# Altium PCB MB V7.PcbDoc (part 1 of 3)
Units mm, origin at the board's own origin, x right, y up, seen from the top; angles counter-clockwise.
Board outline 165.04 x 191.67 mm, 4 copper layers (Top Layer, MID TOP, MID BOTTOM, Bottom Layer), stack 0.603 mm thick; 236 components, 223 nets, 910 pads, 243 vias.
Unrouted connection lines stored in the file: 157.
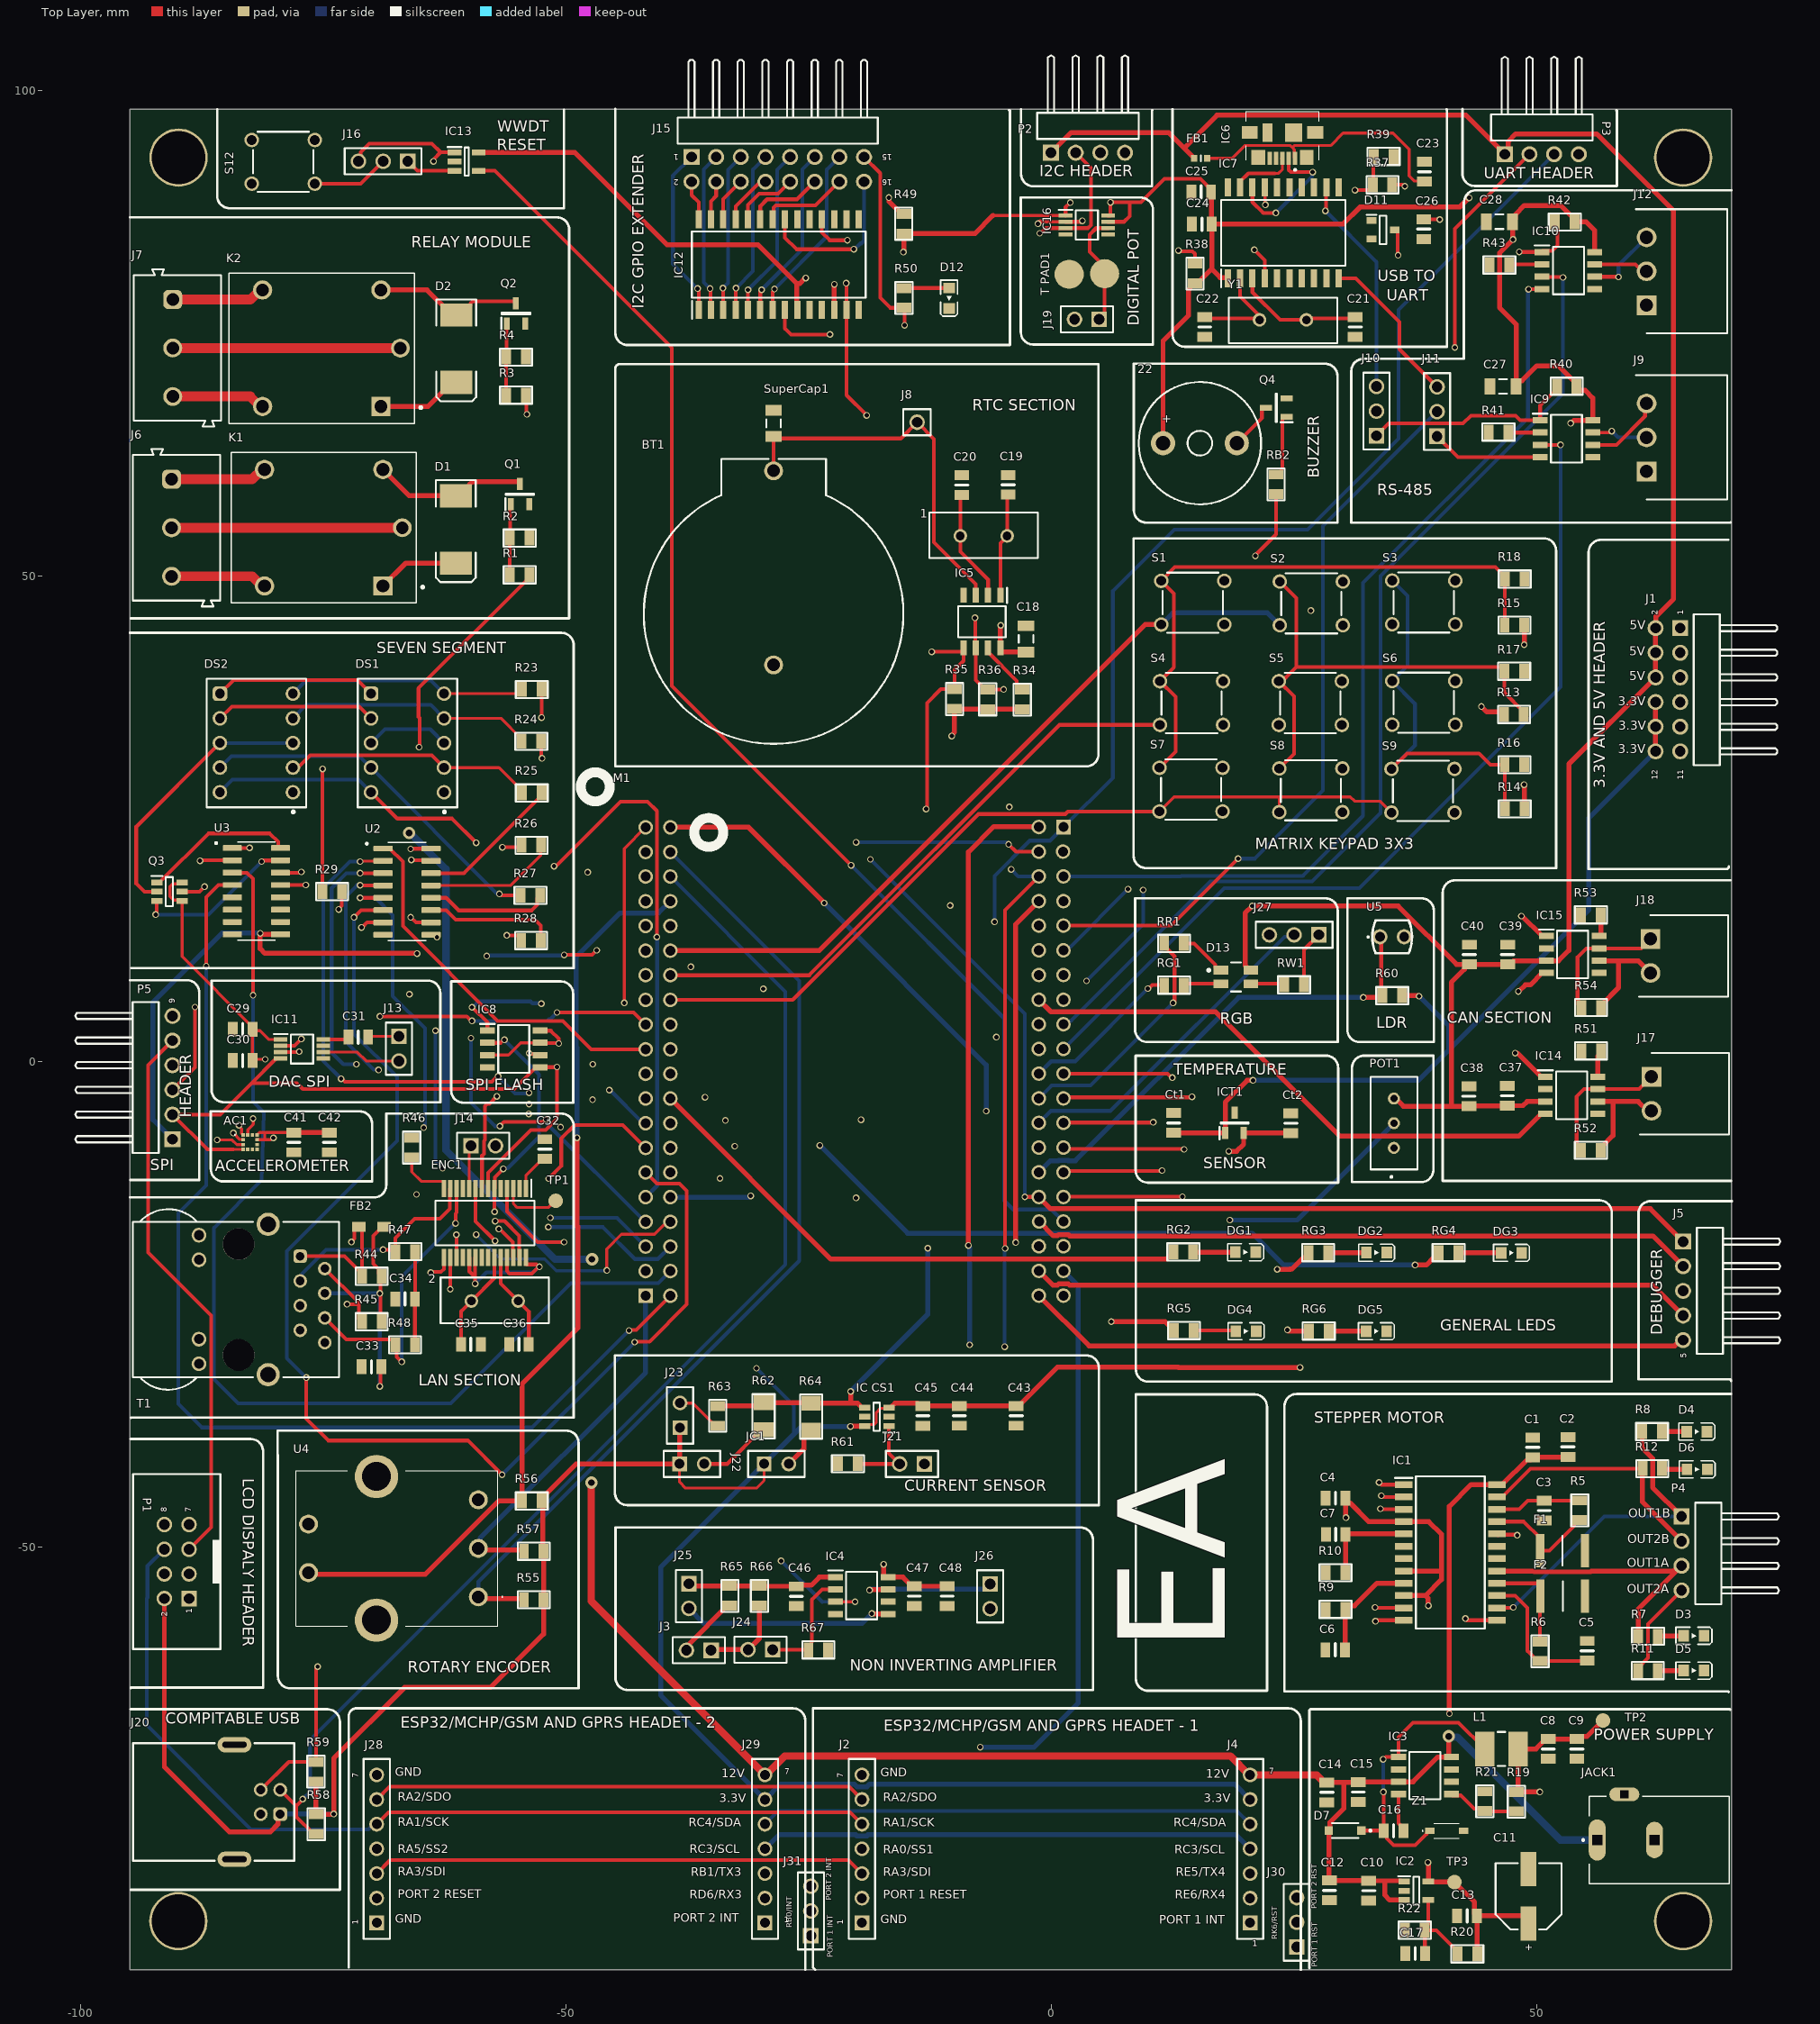
[diagram p0: Top Layer view]
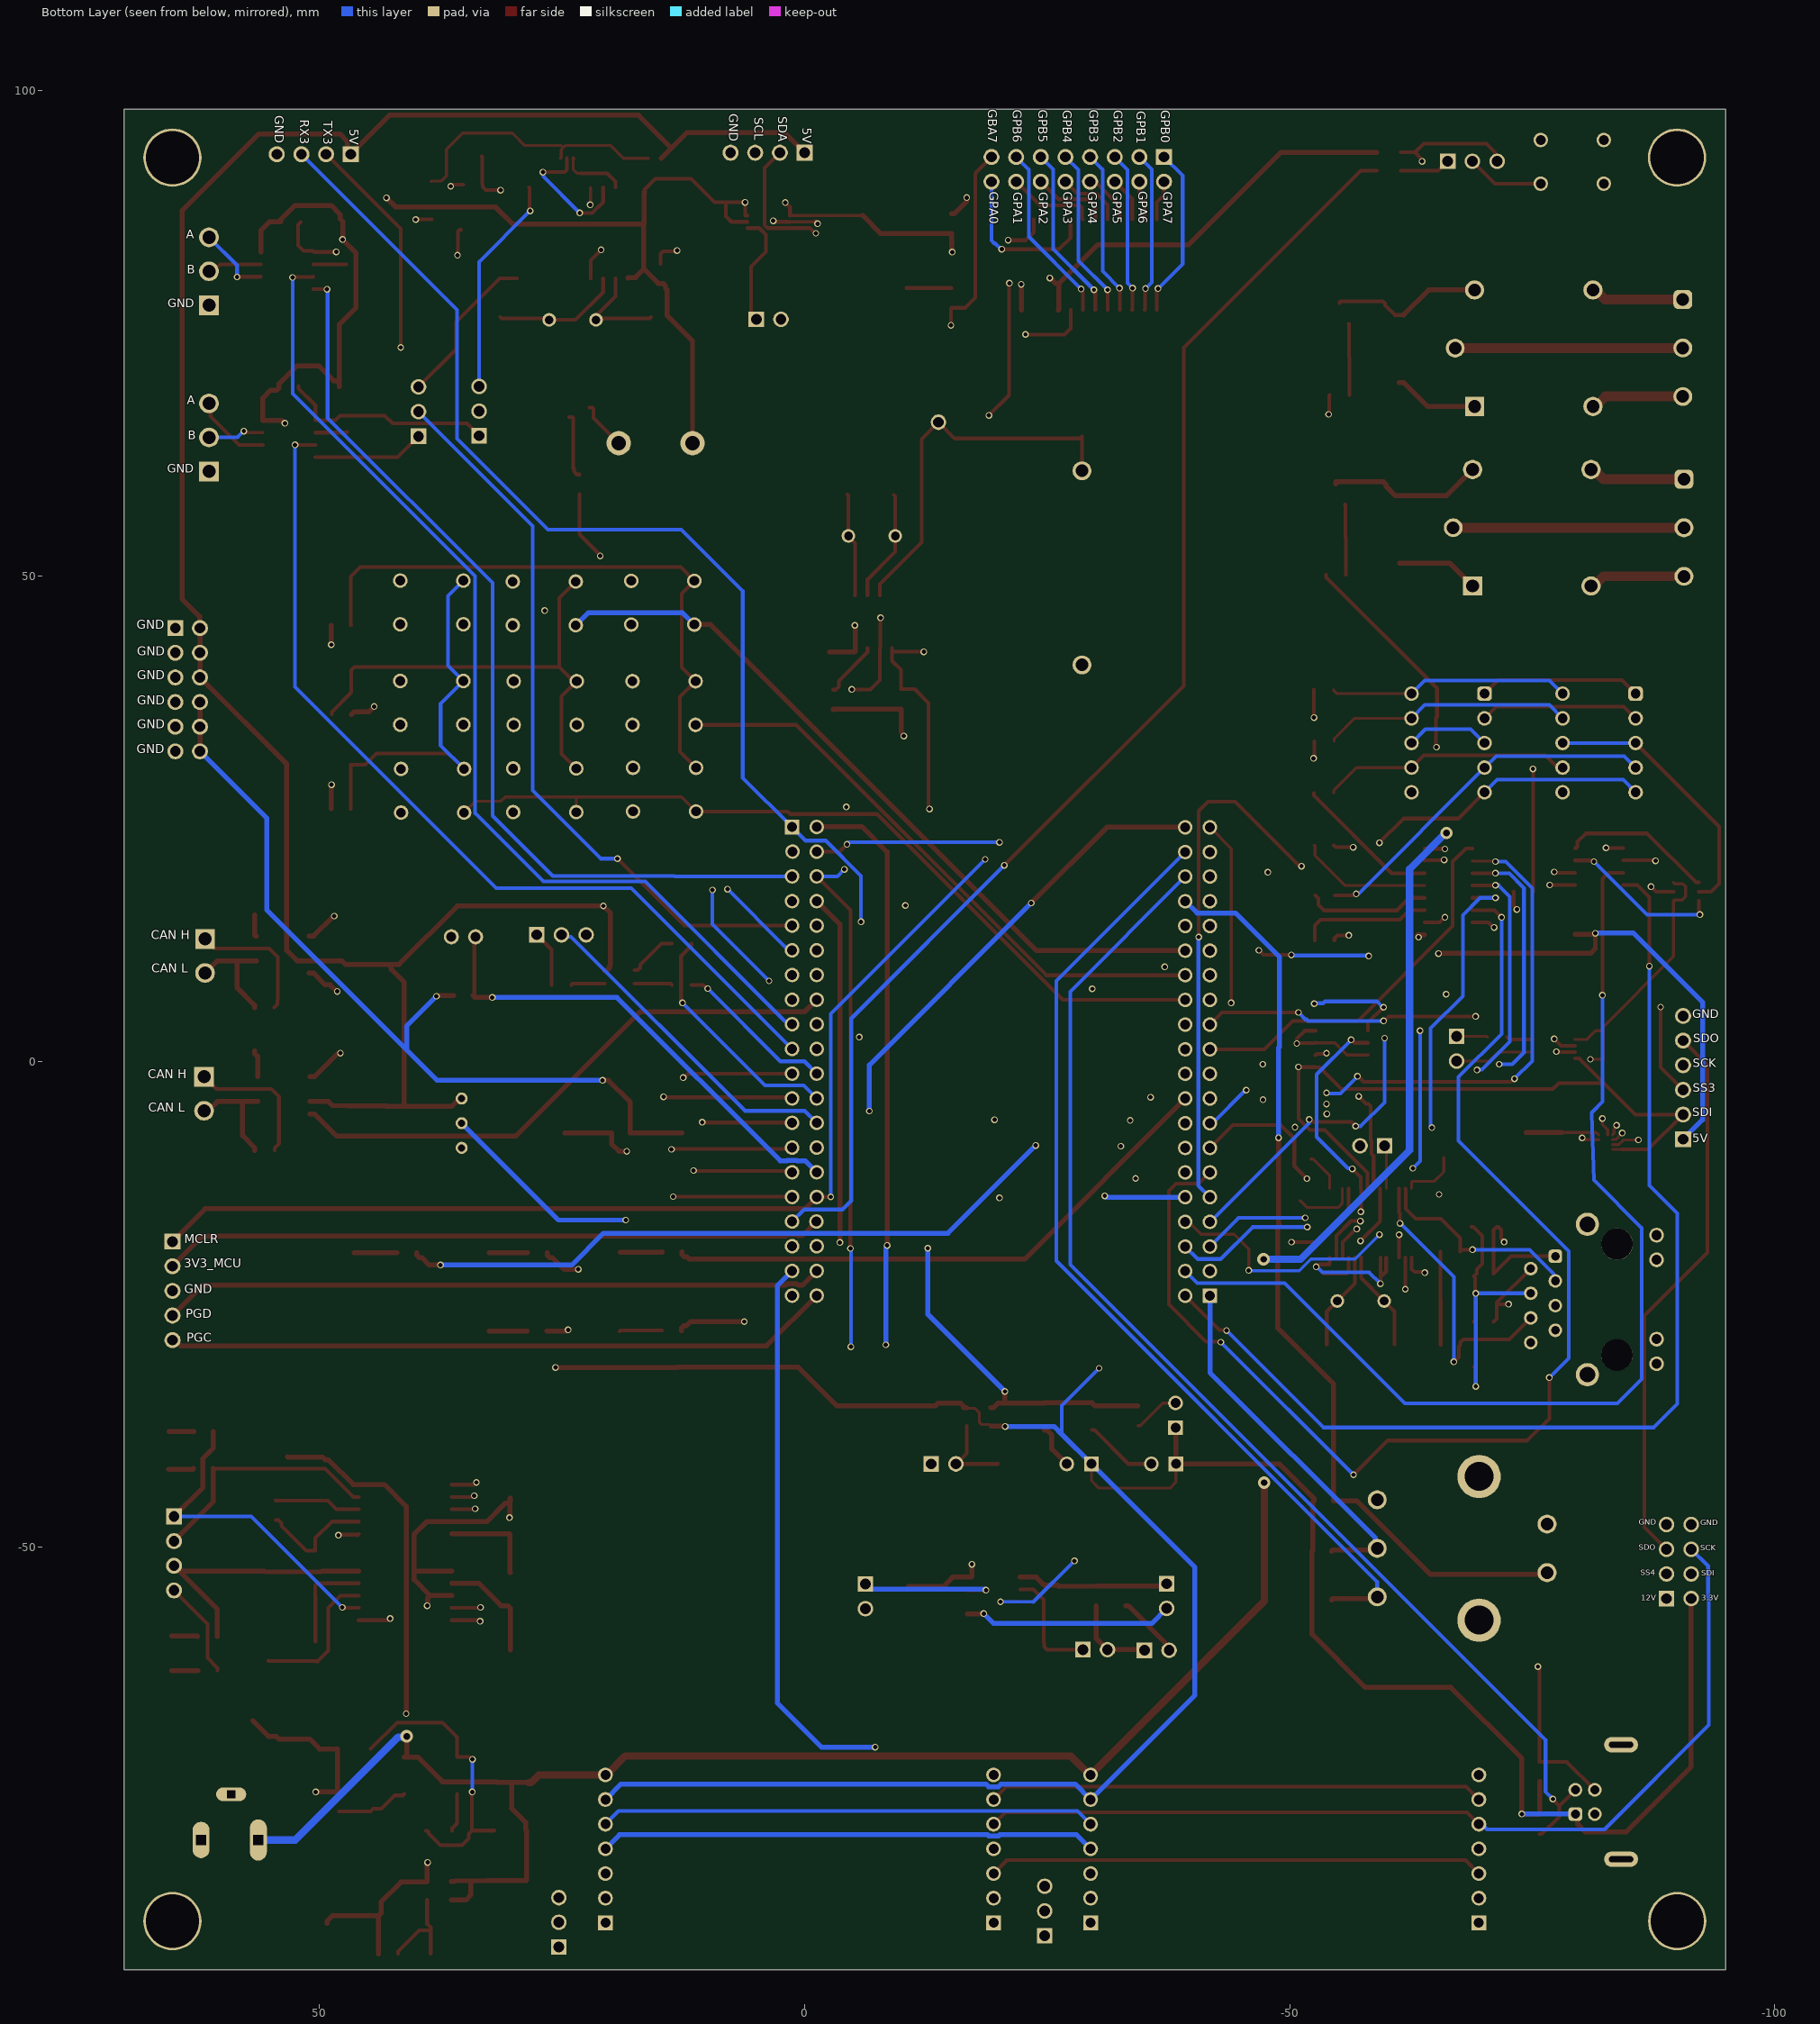
[diagram p1: Bottom Layer view, seen from below]
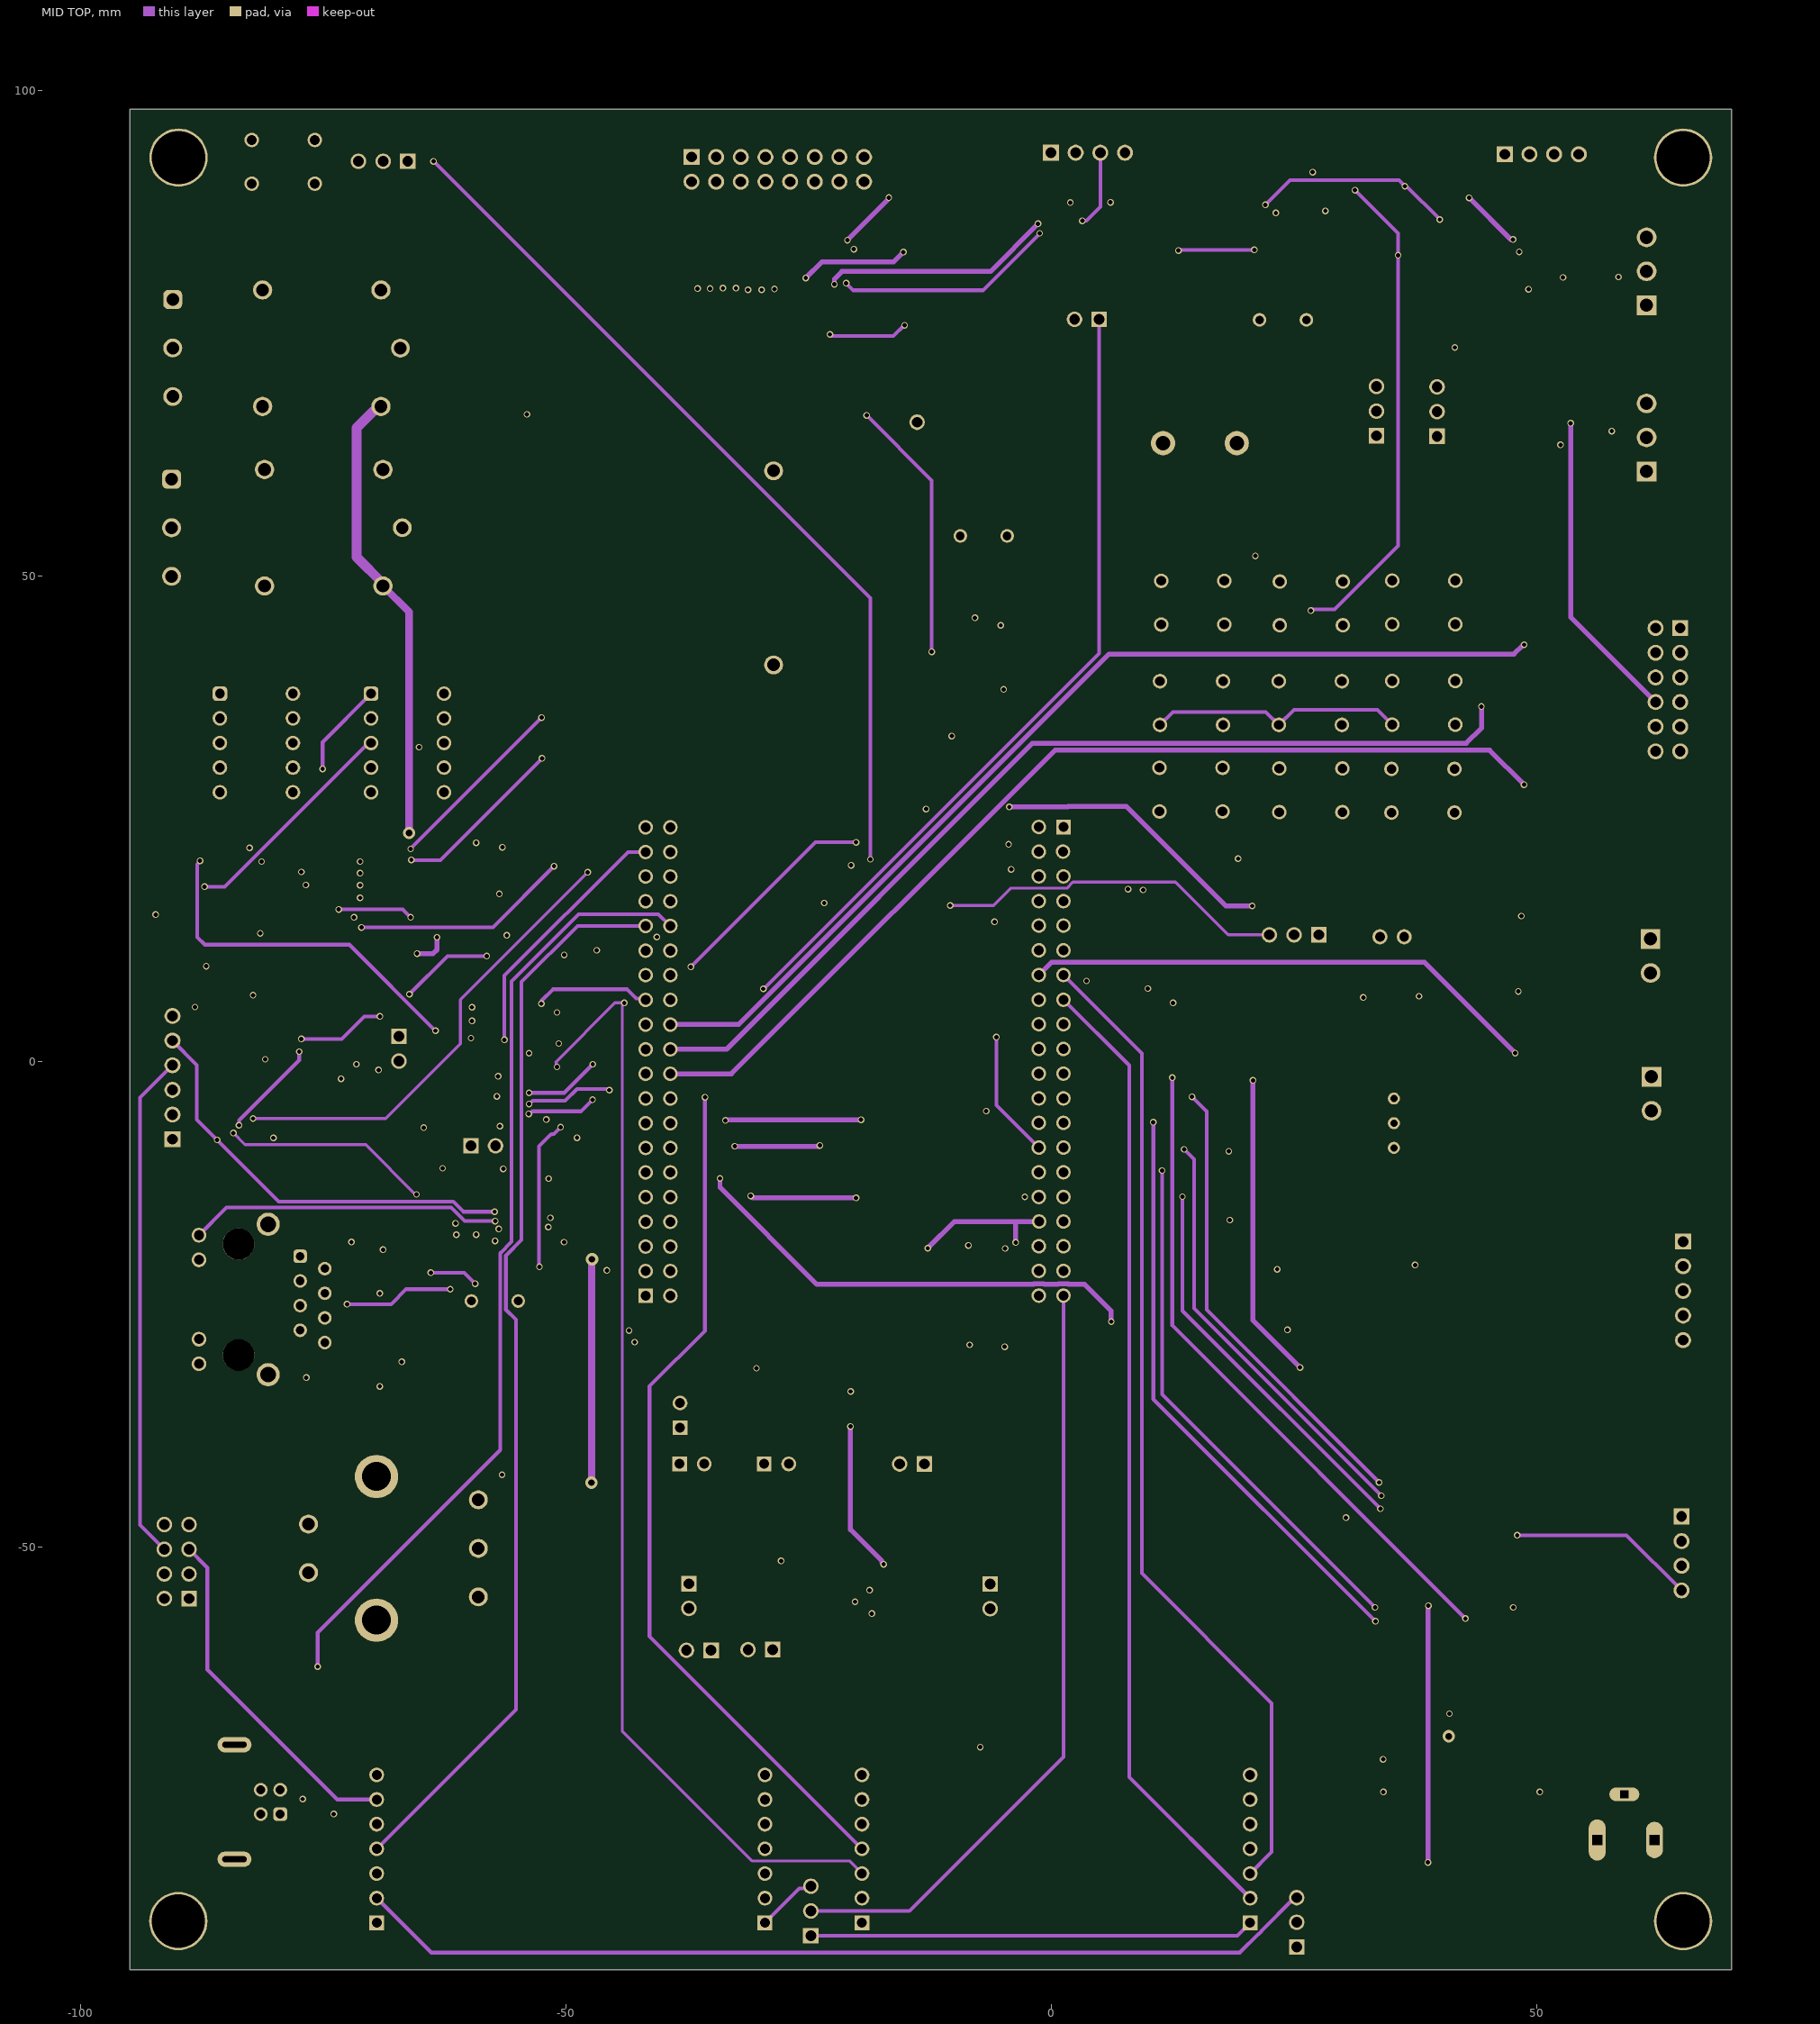
[diagram p2: MID TOP]
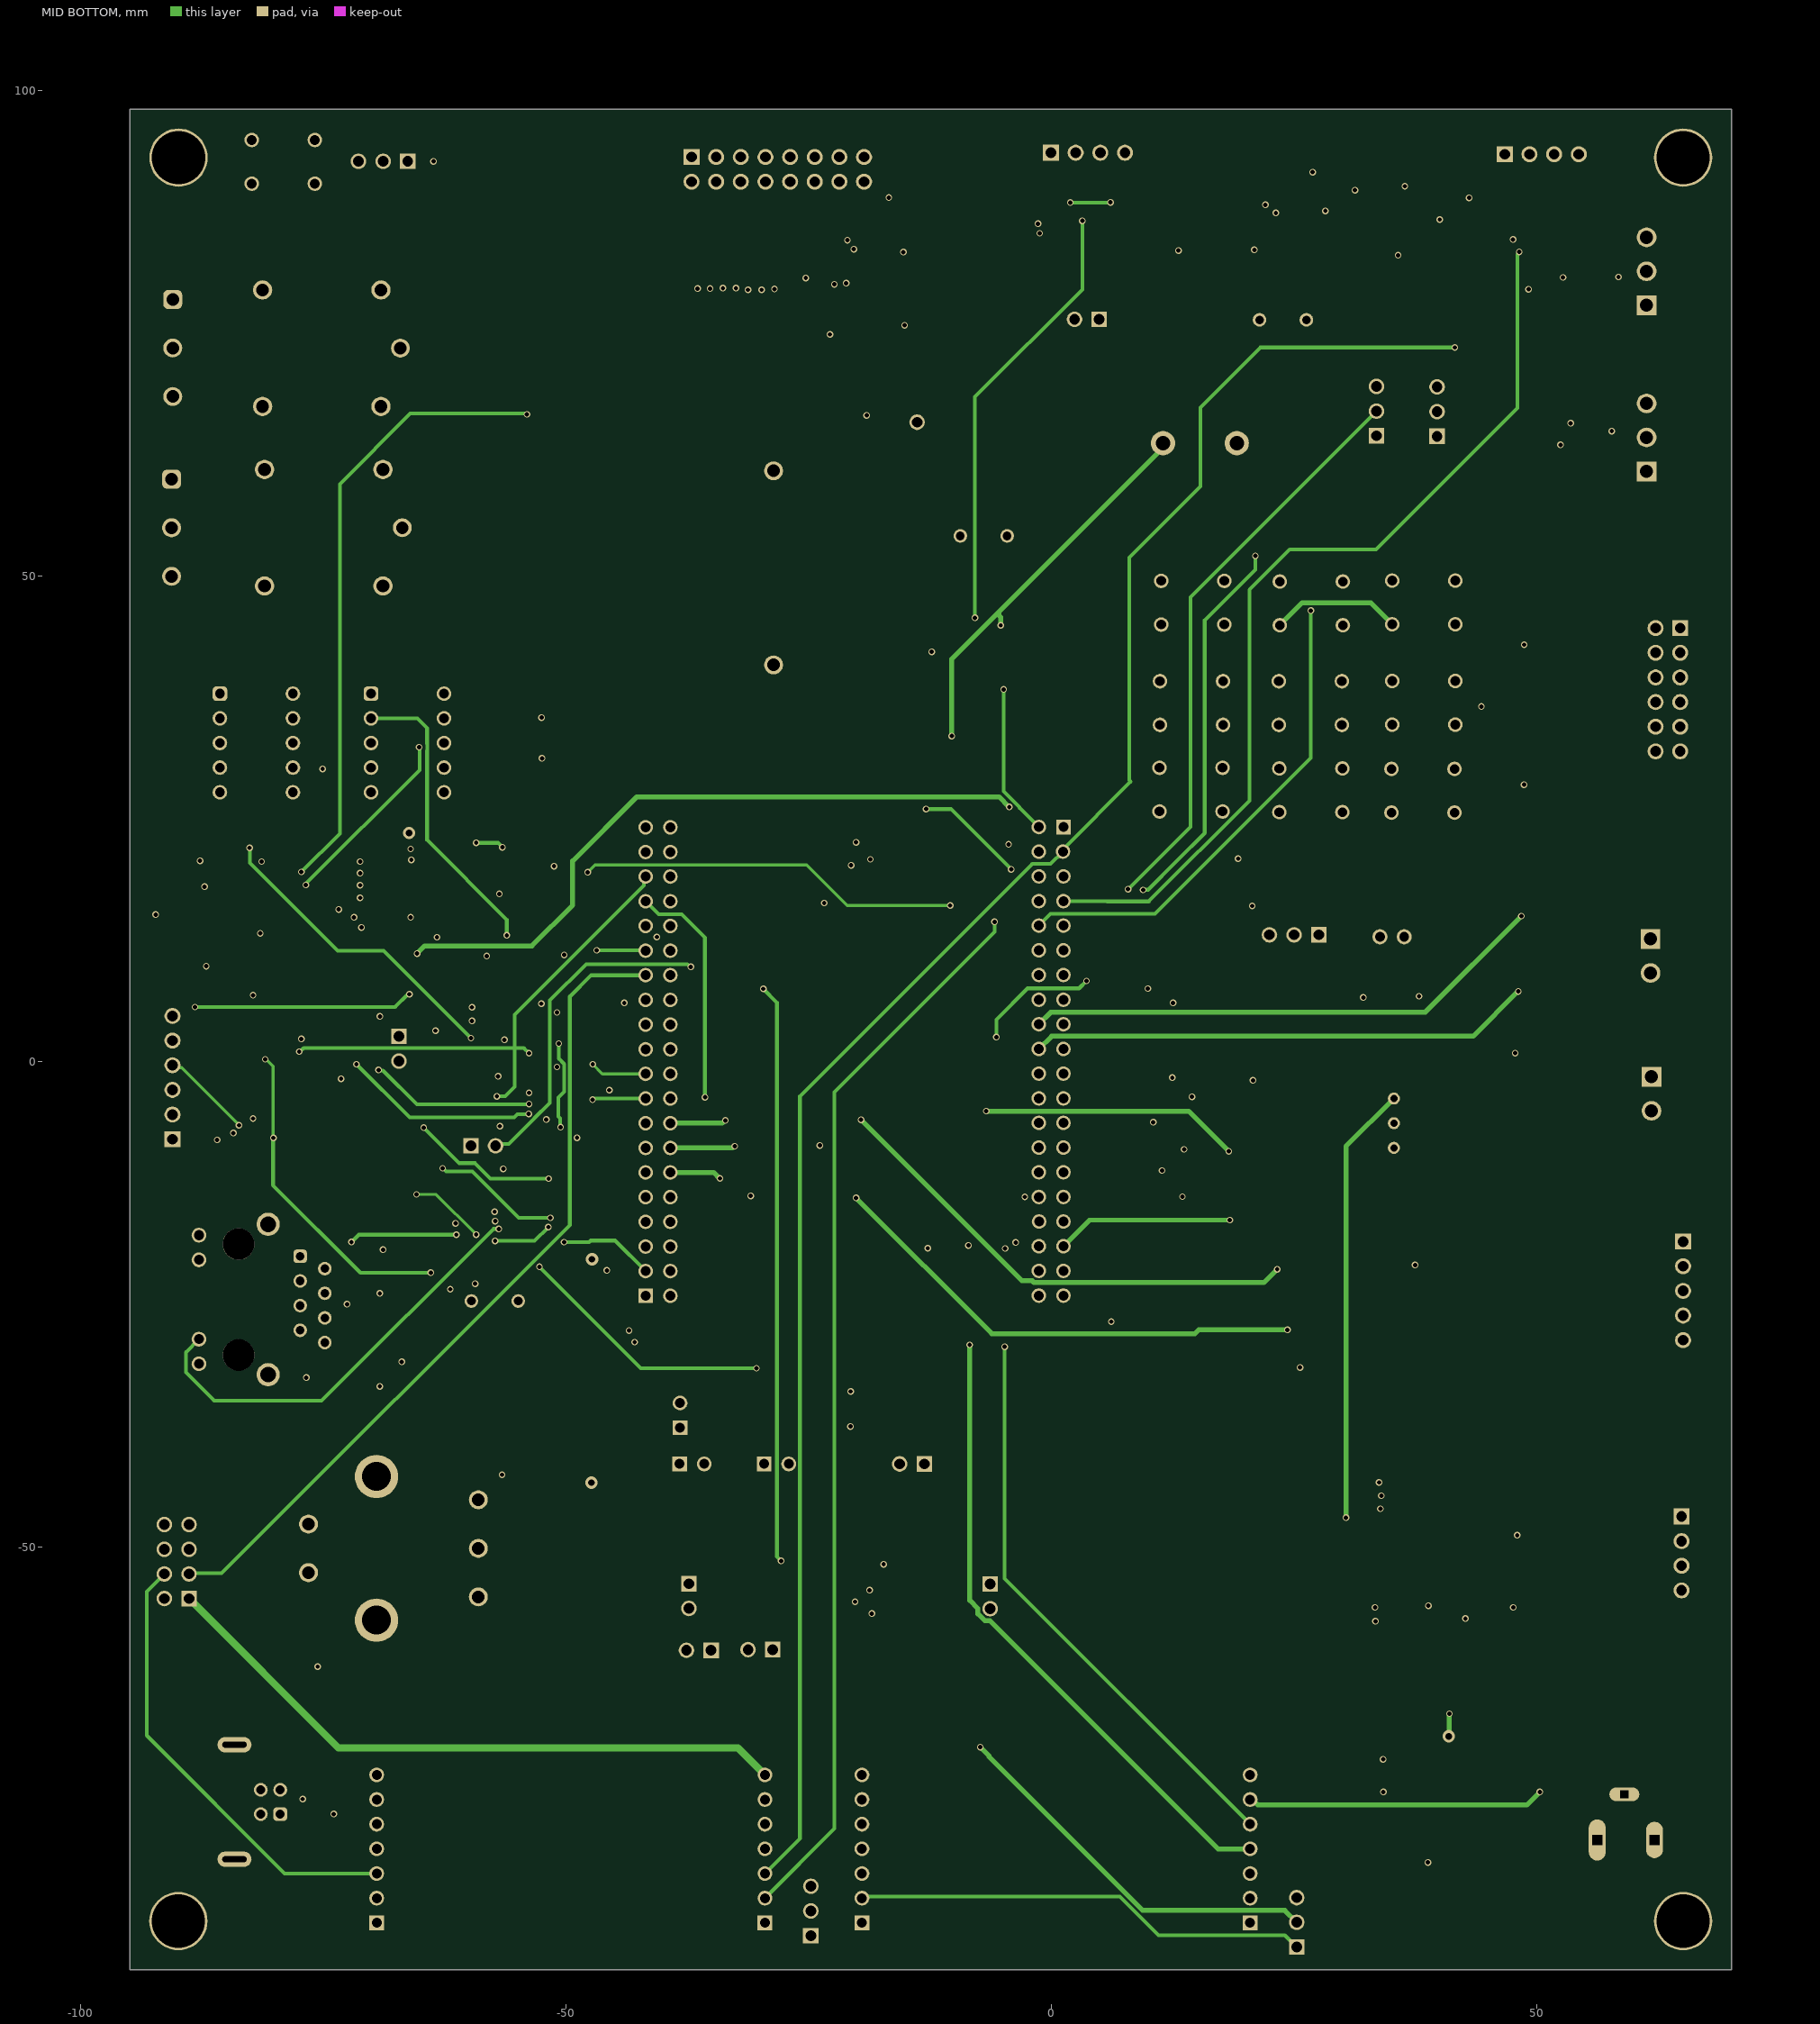
[diagram p3: MID BOTTOM]

## Layer stack, top to bottom
Top Solder: solder mask 0.0102, Solder Resist, Dk 3.5
Top Layer: signal copper 0.0356
Dielectric 2: prepreg 0.0711, PP-006, Dk 4.1
MID TOP: signal copper 0.035
Dielectric 1: dielectric 0.32, FR-4, Dk 4.8
MID BOTTOM: signal copper 0.035
Dielectric 3: prepreg 0.0711, PP-006, Dk 4.1
Bottom Layer: signal copper 0.0356
Bottom Solder: solder mask 0.0102, Solder Resist, Dk 3.5

## Board outline
-94.92,-93.574 70.117,-93.574 70.117,98.095 -94.92,98.095

## Design rules (kind name [scope] priority, off if disabled: settings)
Clearance [All] p1: gap=0.203 ignorepadtopadclearanceinfootprint=TRUE
PolygonConnect [All] p1: connectstyle=Relief reliefconductorwidth=0.254 reliefentries=4 polygonreliefangle="90 Angle" airgapwidth=0.254
RoutingVias [All] p1: holewidth=0.457 width=0.686 viastyle="Through Hole" minholewidth=0.457 minwidth=0.686 maxholewidth=0.457 maxwidth=0.686
SolderMaskExpansion [All] p1: expansion=0.102 istentingtop=FALSE
Width [All] p1: maxlimit=2.54 minlimit=0.305 preferedwidth=0.508
30 further rules are at their usual default settings.

## Classes and differential pairs
component class wwdt: IC13 J16 S12
component class "Usb to Uart": C21 C22 C23 C24 C25 C26 D11 FB1 IC6 IC7 R37 R38 R39 Y1
component class USB: J20 R58 R59
component class Stepper_motodriver: C1 C2 C3 C4 C5 C6 C7 D3 D4 D5 D6 F1 F2 IC1 P4 R5 R6 R7 R8 R9 R10 R11 R12
component class "SPI FLASH": IC8
component class Rtc: 1 BT1 C18 C19 C20 IC5 J8 R34 R35 R36 SuperCap1
component class RS-485: C27 C28 IC9 IC10 J9 J10 J11 J12 R40 R41 R42 R43
component class "Rotary Encoder": R55 R56 R57 U4
component class Relaymodule: D1 D2 J6 J7 K1 K2 Q1 Q2 R1 R2 R3 R4
component class Powersupply: C8 C9 C10 C11 C12 C13 C14 C15 C16 C17 D7 IC2 IC3 JACK1 L1 R19 R20 R21 R22 TP2 TP3 Z1
component class OPAMP: C46 C47 C48 IC4 J3 J24 J25 J26 R65 R66 R67
component class Motherboard: J1 J2 J4 J5 J28 J29 J30 J31 M1 P1 P2 P3 P5
component class Matrixkeypad: R13 R14 R15 R16 R17 R18 S1 S2 S3 S4 S5 S6 S7 S8 S9
component class Lan: 2 C32 C33 C34 C35 C36 ENC1 FB2 J14 R44 R45 R46 R47 R48 T1 TP1
component class "I2C EXTERNAL": D12 IC12 J15 R49 R50
component class "DIGITAL POT": IC16 J19 "T PAD1"
component class "DAC SPI": C29 C30 C31 IC11 J13
component class "Current SENSOR": C43 C44 C45 "IC CS1" J21 J22 J23 JC1 R61 R62 R63 R64
component class CAN: C37 C38 C39 C40 IC14 IC15 J17 J18 R51 R52 R53 R54
component class BARTGL: 22 Ct1 Ct2 D13 DG1 DG2 DG3 DG4 DG5 ICT1 J27 POT1 Q4 R60 RB2 RG1 RG2 RG3 RG4 RG5 RG6 RR1 RW1 U5
component class ACCELEROMETER: AC1 C41 C42
component class 7Segment: DS1 DS2 Q3 R23 R24 R25 R26 R27 R28 R29 U2 U3

## Components (designator, comment, footprint, x,y, rotation, side; value= is the part's Value field where it differs from the comment)
1 "" "Mini Crystal" -6.947,58.064 r0 top
2 "" "Mini Crystal" -57.328,-20.752 r0 top
22 "WST-1205S" "Buzzer 5v" 15.329,63.678 r0 top
AC1 "LIS2DE12TR" LIS2DE12TR -82.55,-8.331 r0 top
BT1 "79578211" 79578211 -28.6,46.076 r270 top
C1 "0.10µF" SMD-0805C 49.619,-39.776 r180 top
C2 "100µF" SMD-0805C 53.251,-39.726 r180 top
C3 "820pF" SMD-0805C 50.813,-46.279 r0 top
C4 "0.10µF" SMD-0805C 29.299,-45.009 r270 top
C5 "820pF" SMD-0805C 55.232,-60.731 r180 top
C6 "820pF" SMD-0805C 29.274,-60.63 r270 top
C7 "820pF" SMD-0805C 29.324,-48.743 r270 top
C8 "10µF" SMD-0805C 51.219,-70.841 r0 top
C9 "10µF" SMD-0805C 54.166,-70.841 r0 top
C10 "0.10µF" SMD-0805C 32.729,-85.435 r0 top
C11 "220uF, 6.3V" WCAP-ASLI_6.3x5.5 49.187,-86.024 r270 top
C12 "10µF" SMD-0805C 28.665,-85.41 r0 top
C13 "0.10µF" SMD-0805C 42.863,-88.036 r270 top
C14 "10µF" SMD-0805C 28.41,-75.311 r0 top
C15 "10µF" SMD-0805C 31.636,-75.286 r0 top
C16 "0.33µF" SMD-0805C 35.293,-79.273 r270 top
C17 "470pF" SMD-0805C 37.503,-91.923 r90 top
C18 "Cap Semi" C1206 -2.591,43.51 r90 top value=0.1uF
C19 "10pF" SMD-0805C -4.432,59.385 r180 top value=0.10µF
C20 "10pF" SMD-0805C -9.207,59.36 r180 top value=0.10µF
C21 "10pF" SMD-0805C 31.331,75.641 r0 top value=0.10µF
C22 "10pF" SMD-0805C 15.812,75.641 r0 top value=0.10µF
C23 "10uF" SMD-0805C 38.468,91.643 r180 top value=0.10µF
C24 "10uF" SMD-0805C 15.532,86.233 r270 top value=0.10µF
C25 "10uF" SMD-0805C 15.456,89.56 r270 top value=0.10µF
C26 "10uF" SMD-0805C 38.392,85.725 r0 top value=0.10µF
C27 "10pF" C1206 46.571,69.52 r0 top value=0.1uF
C28 "10pF" C1206 46.19,86.487 r0 top value=0.1uF
C29 "10uF" SMD-0805C -83.312,3.277 r90 top value=0.10µF
C30 "10uF" SMD-0805C -83.312,0.076 r270 top value=0.10µF
C31 "1uF" SMD-0805C -71.399,2.489 r270 top value=0.10µF
C32 "10uF" SMD-0805C -52.172,-9.042 r0 top value=0.10µF
C33 "0.10µF" SMD-0805C -70.028,-31.471 r270 top
C34 "0.10µF" SMD-0805C -66.573,-24.486 r270 top
C35 "10pF" SMD-0805C -59.792,-29.159 r90 top value=0.10µF
C36 "10pF" SMD-0805C -54.839,-29.159 r270 top value=0.10µF
C37 "0.22uF" SMD-0805C 47.003,-3.556 r180 top value=0.10µF
C38 "0.22uF" SMD-0805C 43.04,-3.607 r180 top value=0.10µF
C39 "0.22uF" SMD-0805C 47.028,10.998 r180 top value=0.10µF
C40 "0.22uF" SMD-0805C 43.091,10.998 r180 top value=0.10µF
C41 "10uF" SMD-0805C -78.029,-8.357 r0 top value=0.10µF
C42 "100nF" SMD-0805C -74.371,-8.357 r0 top value=0.10µF
C43 "2.2uF" SMD-0805C -3.604,-36.52 r0 top value=0.10µF
C44 "0.1uF" SMD-0805C -9.472,-36.52 r0 top value=0.10µF
C45 "0.1uF" SMD-0805C -13.215,-36.525 r180 top value=0.10µF
C46 "10µF" SMD-0805C -26.251,-55.118 r0 top
C47 "0.10µF" SMD-0805C -14.11,-55.093 r0 top
C48 "1µF" SMD-0805C -10.706,-55.093 r0 top
Ct1 "0.10µF" SMD-0805C 12.611,-6.35 r180 top
Ct2 "0.10µF" SMD-0805C 24.702,-6.375 r180 top
D1 "Diode" SMC -61.341,54.788 r270 top
D2 "Diode" SMC -61.29,73.406 r270 top
D3 "150080RS75000" WL-SMCW_0805 66.231,-59.182 r180 top
D4 "150080RS75000" WL-SMCW_0805 66.535,-38.151 r180 top
D5 "150080RS75000" WL-SMCW_0805 66.231,-62.763 r180 top
D6 "150080RS75000" WL-SMCW_0805 66.561,-42.037 r180 top
D7 "1N4148W-V-GS08" 1N4148WVGS08 30.29,-79.248 r180 top
D11 "BZX84Bxxx Zener diode" SOT95P240X120-3N 34.201,85.649 r0 top
D12 "150080BS75000" WL-SMCW_0805 -10.516,78.613 r90 top
D13 "Red & Green & Blue, 120°" WL-SFTW_3528_150141M173100 19.037,8.687 r0 top
DG1 "150080VS75000" WL-SMCW_0805 20.028,-19.66 r180 top
DG2 "150080VS75000" WL-SMCW_0805 33.528,-19.71 r180 top
DG3 "150080VS75000" WL-SMCW_0805 47.435,-19.736 r180 top
DG4 "150080VS75000" WL-SMCW_0805 20.079,-27.813 r180 top
DG5 "150080VS75000" WL-SMCW_0805 33.515,-27.813 r180 top
DS1 "157119S12801" WL-T7DS_L13W10H7 -66.319,32.791 r0 top
DS2 "157119S12801" WL-T7DS_L13W10H7 -81.89,32.791 r0 top
ENC1 "ENC28J60T-I_SS" SOP65P780X200-28N -58.35,-16.656 r270 top